# Altium PCB Tag201_GangProgrammerRev1.PcbDoc (part 3 of 7) (continued)
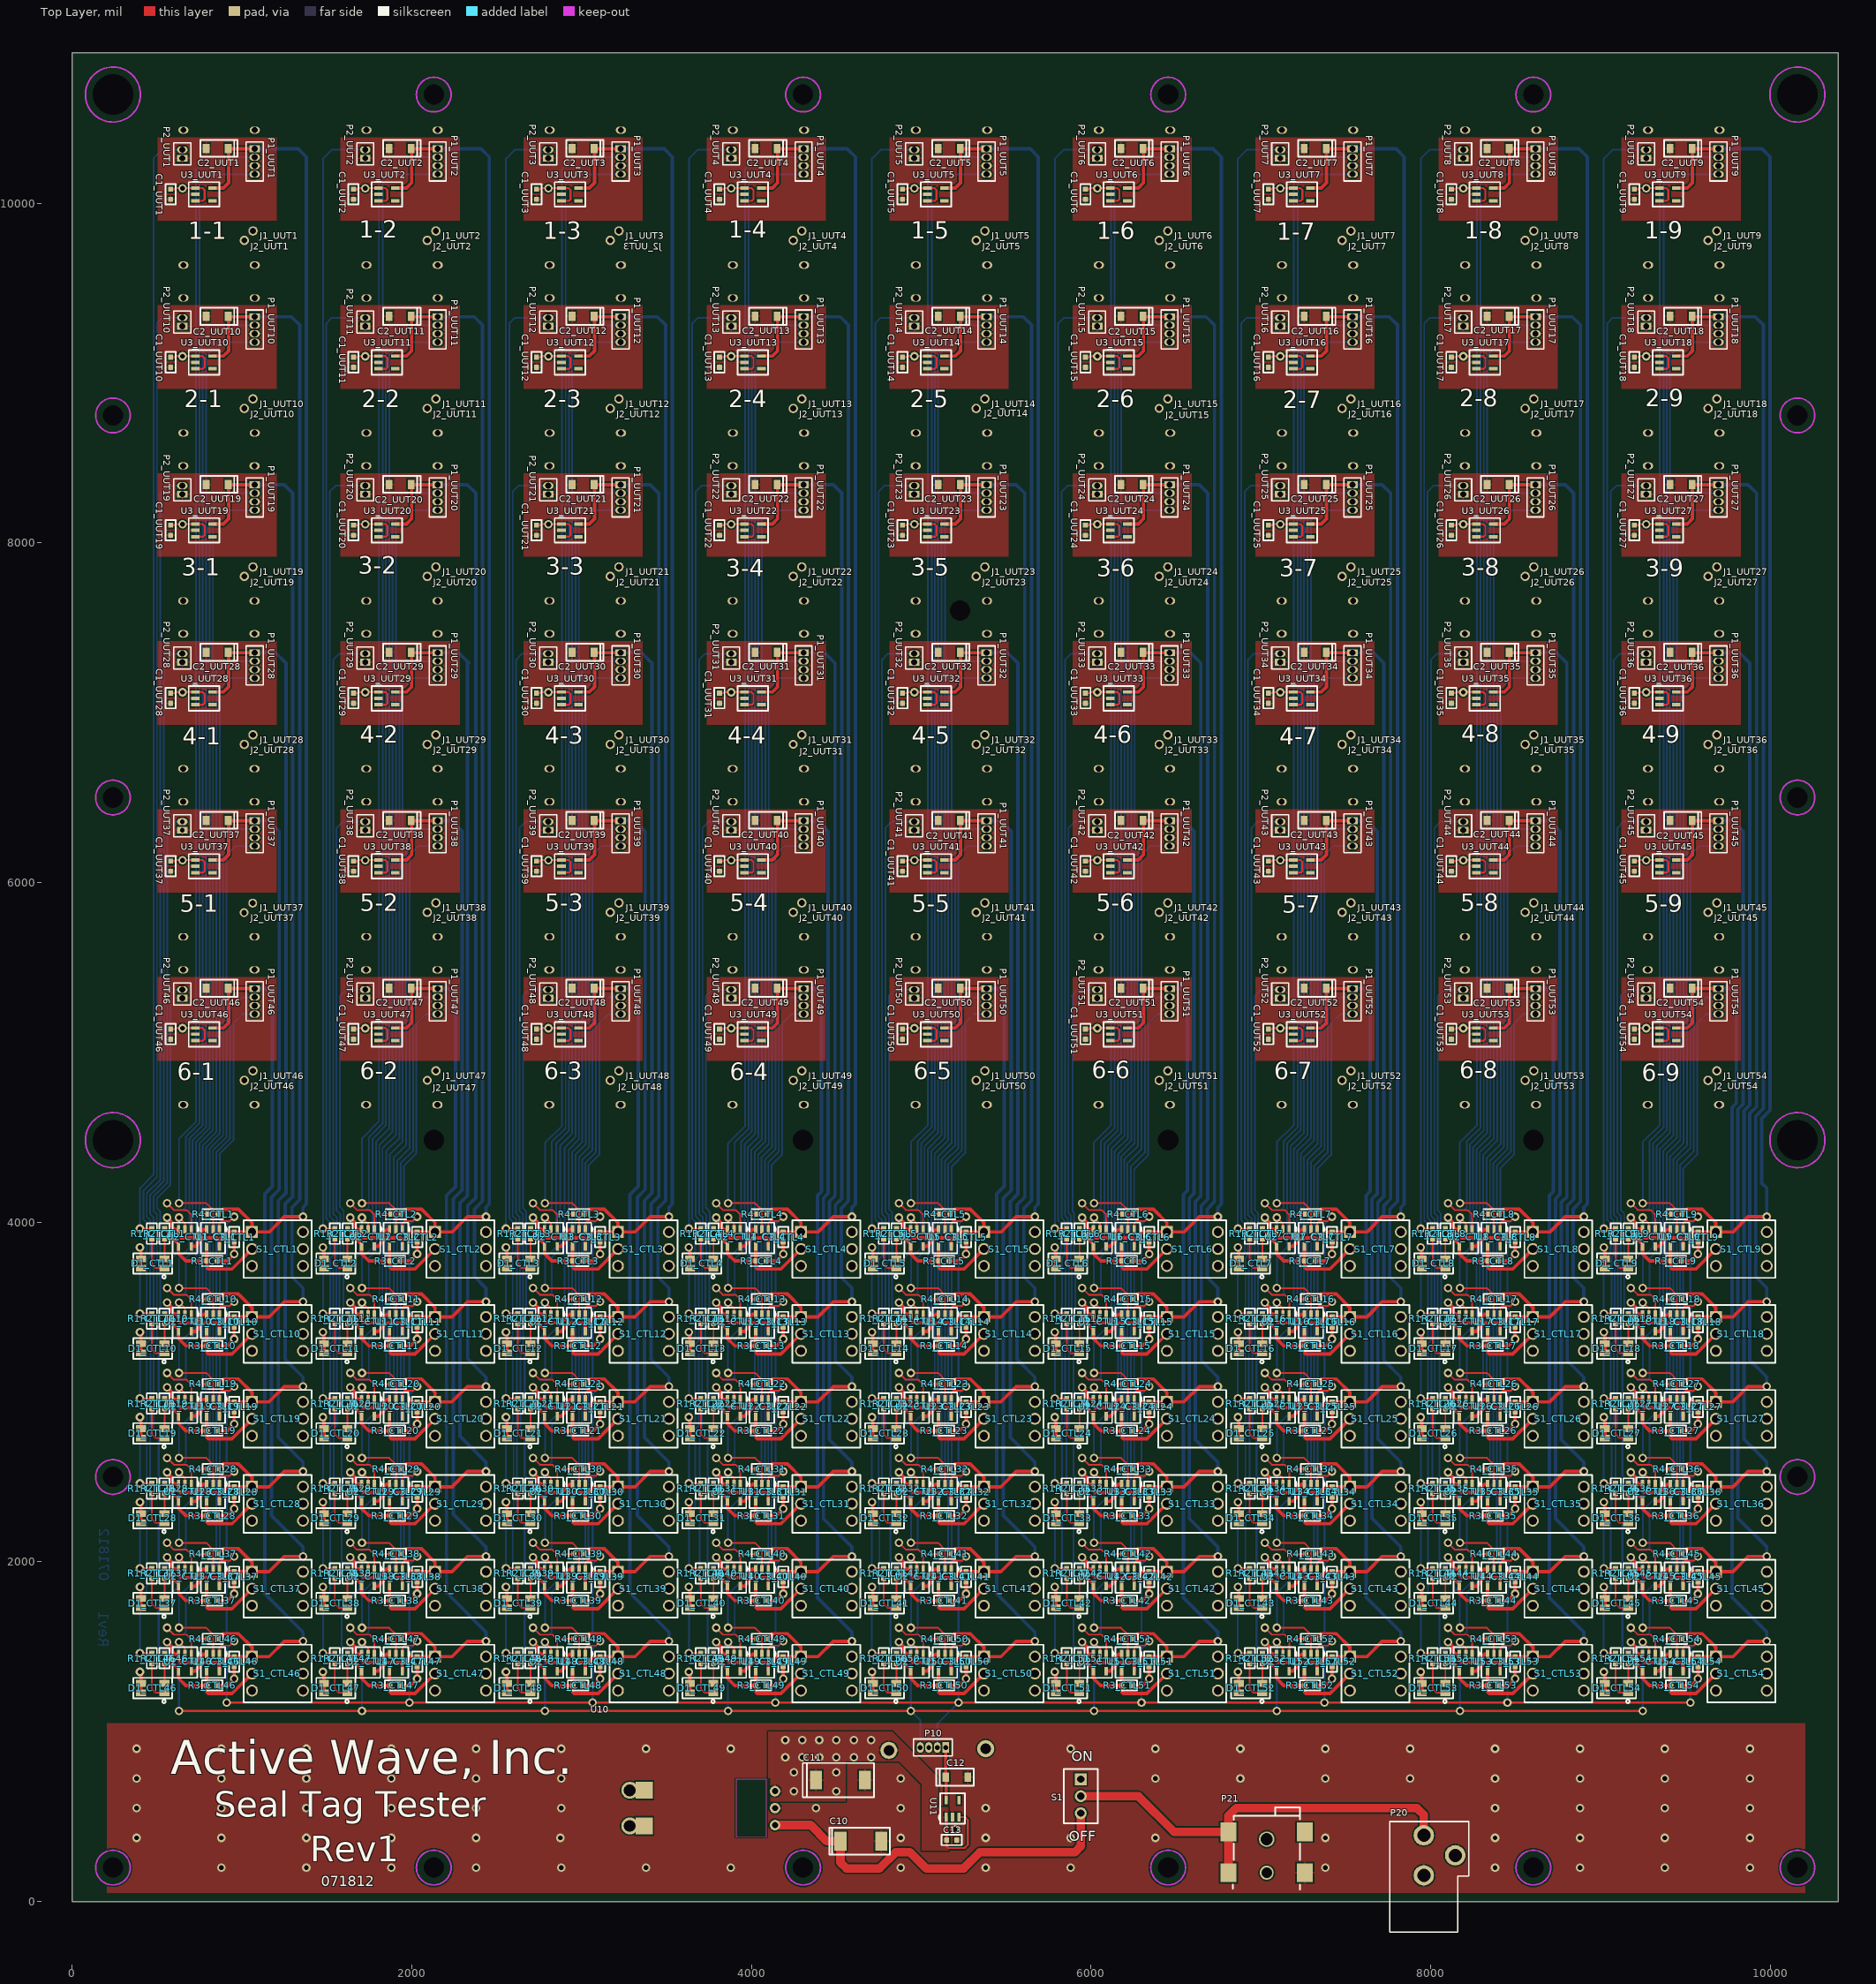
[diagram p0: Top Layer view]
## Free pads (board coordinates) (continued)
  round 100 hole 70: 0(3284,445) 0(3284,655)
  rect 100x100 smd: 0(3369,445) 0(3369,655)
  round 100 hole 62: 3(4809,890) 4(5379,900)

## Via types
v1: diameter 50, hole 28, Top Layer to Bottom Layer, tented both sides, 650 vias

## Nets (pads, with @x,y where several pads share a name; then routed paths per layer and width w, separated by ;. In a path a pad name is that pad's centre, name@x,y a point inside that pad or via, vN(x,y) a via of type N, cw(c..) or ccw(c..) an arc to the next point about the centre after c; other vN are vias at no path point)
+3V: C12.1 P10.1 U11.5 | length 311
  Top Layer w20: P10.1@5144,907 C12.1@5144,732 5146.5,729.5 U11.5@5146.5,597
+5V: C1_UUT1.1 C1_UUT2.1 C1_UUT3.1 C1_UUT4.1 C1_UUT5.1 C1_UUT6.1 C1_UUT7.1 C1_UUT8.1 C1_UUT9.1 C1_UUT10.1 C1_UUT11.1 C1_UUT12.1 C1_UUT13.1 C1_UUT14.1 C1_UUT15.1 C1_UUT16.1 C1_UUT17.1 C1_UUT18.1 C1_UUT19.1 C1_UUT20.1 C1_UUT21.1 C1_UUT22.1 C1_UUT23.1 C1_UUT24.1 C1_UUT25.1 C1_UUT26.1 C1_UUT27.1 C1_UUT28.1 C1_UUT29.1 C1_UUT30.1 C1_UUT31.1 C1_UUT32.1 C1_UUT33.1 C1_UUT34.1 C1_UUT35.1 C1_UUT36.1 C1_UUT37.1 C1_UUT38.1 C1_UUT39.1 C1_UUT40.1 C1_UUT41.1 C1_UUT42.1 C1_UUT43.1 C1_UUT44.1 C1_UUT45.1 C1_UUT46.1 C1_UUT47.1 C1_UUT48.1 C1_UUT49.1 C1_UUT50.1 C1_UUT51.1 C1_UUT52.1 C1_UUT53.1 C1_UUT54.1 C11.1 C13.1 pad.3 U3_UUT1.1@726,10088.5 U3_UUT1.3 U3_UUT2.1@1803.5,10088.5 U3_UUT2.3 U3_UUT3.1@2881,10088.5 U3_UUT3.3 U3_UUT4.1@3958.5,10088.5 U3_UUT4.3 U3_UUT5.1@5036,10088.5 U3_UUT5.3 U3_UUT6.1@6113.5,10088.5 U3_UUT6.3 U3_UUT7.1@7191,10088.5 U3_UUT7.3 U3_UUT8.1@8268.5,10088.5 U3_UUT8.3 U3_UUT9.1@9346,10088.5 U3_UUT9.3 U3_UUT10.1@726,9099.5 U3_UUT10.3 U3_UUT11.1@1803.5,9099.5 U3_UUT11.3 U3_UUT12.1@2881,9099.5 U3_UUT12.3 U3_UUT13.1@3958.5,9099.5 U3_UUT13.3 U3_UUT14.1@5036,9099.5 U3_UUT14.3 U3_UUT15.1@6113.5,9099.5 U3_UUT15.3 U3_UUT16.1@7191,9099.5 U3_UUT16.3 U3_UUT17.1@8268.5,9099.5 U3_UUT17.3 U3_UUT18.1@9346,9099.5 U3_UUT18.3 U3_UUT19.1@726,8110.5 U3_UUT19.3 U3_UUT20.1@1803.5,8110.5 U3_UUT20.3 U3_UUT21.1@2881,8110.5 U3_UUT21.3 U3_UUT22.1@3958.5,8110.5 U3_UUT22.3 U3_UUT23.1@5036,8110.5 U3_UUT23.3 U3_UUT24.1@6113.5,8110.5 U3_UUT24.3 U3_UUT25.1@7191,8110.5 U3_UUT25.3 U3_UUT26.1@8268.5,8110.5 U3_UUT26.3 U3_UUT27.1@9346,8110.5 U3_UUT27.3 U3_UUT28.1@726,7121.5 U3_UUT28.3 U3_UUT29.1@1803.5,7121.5 U3_UUT29.3 U3_UUT30.1@2881,7121.5 U3_UUT30.3 U3_UUT31.1@3958.5,7121.5 U3_UUT31.3 U3_UUT32.1@5036,7121.5 U3_UUT32.3 U3_UUT33.1@6113.5,7121.5 U3_UUT33.3 U3_UUT34.1@7191,7121.5 U3_UUT34.3 U3_UUT35.1@8268.5,7121.5 U3_UUT35.3 U3_UUT36.1@9346,7121.5 U3_UUT36.3 U3_UUT37.1@726,6132.5 U3_UUT37.3 U3_UUT38.1@1803.5,6132.5 U3_UUT38.3 U3_UUT39.1@2881,6132.5 U3_UUT39.3 U3_UUT40.1@3958.5,6132.5 U3_UUT40.3 U3_UUT41.1@5036,6132.5 U3_UUT41.3 U3_UUT42.1@6113.5,6132.5 U3_UUT42.3 U3_UUT43.1@7191,6132.5 U3_UUT43.3 U3_UUT44.1@8268.5,6132.5 U3_UUT44.3 U3_UUT45.1@9346,6132.5 U3_UUT45.3 U3_UUT46.1@726,5143.5 U3_UUT46.3 U3_UUT47.1@1803.5,5143.5 U3_UUT47.3 U3_UUT48.1@2881,5143.5 U3_UUT48.3 U3_UUT49.1@3958.5,5143.5 U3_UUT49.3 U3_UUT50.1@5036,5143.5 U3_UUT50.3 U3_UUT51.1@6113.5,5143.5 U3_UUT51.3 U3_UUT52.1@7191,5143.5 U3_UUT52.3 U3_UUT53.1@8268.5,5143.5 U3_UUT53.3 U3_UUT54.1@9346,5143.5 U3_UUT54.3 U10.3 U11.1@5146.5,497 U11.3 | length 17854.4
  Top Layer w12: C1_UUT46.1@579,5137 602.5,5137 609,5143.5 647.5,5143.5 v1(649,5142) ; C1_UUT37.1@579,6126 602.5,6126 609,6132.5 647.5,6132.5 v1(649,6131) ; C1_UUT28.1@579,7115 602.5,7115 609,7121.5 647.5,7121.5 v1(649,7120) ; C1_UUT19.1@579,8104 602.5,8104 609,8110.5 647.5,8110.5 v1(649,8109) ; C1_UUT10.1@579,9093 602.5,9093 609,9099.5 647.5,9099.5 v1(649,9098) ; C1_UUT1.1@579,10082 602.5,10082 609,10088.5 647.5,10088.5 v1(649,10087) ; v1@649,5143.5 U3_UUT46.1@726,5143.5 767.5,5143.5 779,5132 779,5077 770.5,5068.5 U3_UUT46.3@726,5068.5 ; v1@649,6132.5 U3_UUT37.1@726,6132.5 767.5,6132.5 779,6121 779,6066 770.5,6057.5 U3_UUT37.3@726,6057.5 ; v1@649,7121.5 U3_UUT28.1@726,7121.5 767.5,7121.5 779,7110 779,7055 770.5,7046.5 U3_UUT28.3@726,7046.5 ; v1@649,8110.5 U3_UUT19.1@726,8110.5 767.5,8110.5 779,8099 779,8044 770.5,8035.5 U3_UUT19.3@726,8035.5 ; v1@649,9099.5 U3_UUT10.1@726,9099.5 767.5,9099.5 779,9088 779,9033 770.5,9024.5 U3_UUT10.3@726,9024.5 ; v1@649,10088.5 U3_UUT1.1@726,10088.5 767.5,10088.5 779,10077 779,10022 770.5,10013.5 U3_UUT1.3@726,10013.5 ; C1_UUT47.1@1656.5,5137 1680,5137 1686.5,5143.5 1725,5143.5 v1(1726.5,5142) ; C1_UUT38.1@1656.5,6126 1680,6126 1686.5,6132.5 1725,6132.5 v1(1726.5,6131) ; C1_UUT29.1@1656.5,7115 1680,7115 1686.5,7121.5 1725,7121.5 v1(1726.5,7120) ; C1_UUT20.1@1656.5,8104 1680,8104 1686.5,8110.5 1725,8110.5 v1(1726.5,8109) ; C1_UUT11.1@1656.5,9093 1680,9093 1686.5,9099.5 1725,9099.5 v1(1726.5,9098) ; C1_UUT2.1@1656.5,10082 1680,10082 1686.5,10088.5 1725,10088.5 v1(1726.5,10087) ; v1@1726.5,5143.5 U3_UUT47.1@1803.5,5143.5 1845,5143.5 1856.5,5132 1856.5,5077 1848,5068.5 U3_UUT47.3@1803.5,5068.5 ; v1@1726.5,6132.5 U3_UUT38.1@1803.5,6132.5 1845,6132.5 1856.5,6121 1856.5,6066 1848,6057.5 U3_UUT38.3@1803.5,6057.5 ; v1@1726.5,7121.5 U3_UUT29.1@1803.5,7121.5 1845,7121.5 1856.5,7110 1856.5,7055 1848,7046.5 U3_UUT29.3@1803.5,7046.5 ; v1@1726.5,8110.5 U3_UUT20.1@1803.5,8110.5 1845,8110.5 1856.5,8099 1856.5,8044 1848,8035.5 U3_UUT20.3@1803.5,8035.5 ; v1@1726.5,9099.5 U3_UUT11.1@1803.5,9099.5 1845,9099.5 1856.5,9088 1856.5,9033 1848,9024.5 U3_UUT11.3@1803.5,9024.5 ; v1@1726.5,10088.5 U3_UUT2.1@1803.5,10088.5 1845,10088.5 1856.5,10077 1856.5,10022 1848,10013.5 U3_UUT2.3@1803.5,10013.5 ; C1_UUT48.1@2734,5137 2757.5,5137 2764,5143.5 2802.5,5143.5 v1(2804,5142) ; C1_UUT39.1@2734,6126 2757.5,6126 2764,6132.5 2802.5,6132.5 v1(2804,6131) ; C1_UUT30.1@2734,7115 2757.5,7115 2764,7121.5 2802.5,7121.5 v1(2804,7120) ; C1_UUT21.1@2734,8104 2757.5,8104 2764,8110.5 2802.5,8110.5 v1(2804,8109) ; C1_UUT12.1@2734,9093 2757.5,9093 2764,9099.5 2802.5,9099.5 v1(2804,9098) ; C1_UUT3.1@2734,10082 2757.5,10082 2764,10088.5 2802.5,10088.5 v1(2804,10087) ; v1@2804,5143.5 U3_UUT48.1@2881,5143.5 2922.5,5143.5 2934,5132 2934,5077 2925.5,5068.5 U3_UUT48.3@2881,5068.5 ; v1@2804,6132.5 U3_UUT39.1@2881,6132.5 2922.5,6132.5 2934,6121 2934,6066 2925.5,6057.5 U3_UUT39.3@2881,6057.5 ; v1@2804,7121.5 U3_UUT30.1@2881,7121.5 2922.5,7121.5 2934,7110 2934,7055 2925.5,7046.5 U3_UUT30.3@2881,7046.5 ; v1@2804,8110.5 U3_UUT21.1@2881,8110.5 2922.5,8110.5 2934,8099 2934,8044 2925.5,8035.5 U3_UUT21.3@2881,8035.5 ; v1@2804,9099.5 U3_UUT12.1@2881,9099.5 2922.5,9099.5 2934,9088 2934,9033 2925.5,9024.5 U3_UUT12.3@2881,9024.5 ; v1@2804,10088.5 U3_UUT3.1@2881,10088.5 2922.5,10088.5 2934,10077 2934,10022 2925.5,10013.5 U3_UUT3.3@2881,10013.5 ; C1_UUT49.1@3811.5,5137 3835,5137 3841.5,5143.5 3880,5143.5 v1(3881.5,5142) ; C1_UUT40.1@3811.5,6126 3835,6126 3841.5,6132.5 3880,6132.5 v1(3881.5,6131) ; C1_UUT31.1@3811.5,7115 3835,7115 3841.5,7121.5 3880,7121.5 v1(3881.5,7120) ; C1_UUT22.1@3811.5,8104 3835,8104 3841.5,8110.5 3880,8110.5 v1(3881.5,8109) ; C1_UUT13.1@3811.5,9093 3835,9093 3841.5,9099.5 3880,9099.5 v1(3881.5,9098) ; C1_UUT4.1@3811.5,10082 3835,10082 3841.5,10088.5 3880,10088.5 v1(3881.5,10087) ; v1@3881.5,5143.5 U3_UUT49.1@3958.5,5143.5 4000,5143.5 4011.5,5132 4011.5,5077 4003,5068.5 U3_UUT49.3@3958.5,5068.5 ; v1@3881.5,6132.5 U3_UUT40.1@3958.5,6132.5 4000,6132.5 4011.5,6121 4011.5,6066 4003,6057.5 U3_UUT40.3@3958.5,6057.5 ; v1@3881.5,7121.5 U3_UUT31.1@3958.5,7121.5 4000,7121.5 4011.5,7110 4011.5,7055 4003,7046.5 U3_UUT31.3@3958.5,7046.5 ; v1@3881.5,8110.5 U3_UUT22.1@3958.5,8110.5 4000,8110.5 4011.5,8099 4011.5,8044 4003,8035.5 U3_UUT22.3@3958.5,8035.5 ; v1@3881.5,9099.5 U3_UUT13.1@3958.5,9099.5 4000,9099.5 4011.5,9088 4011.5,9033 4003,9024.5 U3_UUT13.3@3958.5,9024.5 ; v1@3881.5,10088.5 U3_UUT4.1@3958.5,10088.5 4000,10088.5 4011.5,10077 4011.5,10022 4003,10013.5 U3_UUT4.3@3958.5,10013.5 ; C1_UUT50.1@4889,5137 4912.5,5137 4919,5143.5 4957.5,5143.5 v1(4959,5142) ; C1_UUT41.1@4889,6126 4912.5,6126 4919,6132.5 4957.5,6132.5 v1(4959,6131) ; C1_UUT32.1@4889,7115 4912.5,7115 4919,7121.5 4957.5,7121.5 v1(4959,7120) ; C1_UUT23.1@4889,8104 4912.5,8104 4919,8110.5 4957.5,8110.5 v1(4959,8109) ; C1_UUT14.1@4889,9093 4912.5,9093 4919,9099.5 4957.5,9099.5 v1(4959,9098) ; C1_UUT5.1@4889,10082 4912.5,10082 4919,10088.5 4957.5,10088.5 v1(4959,10087) ; v1@4959,5143.5 U3_UUT50.1@5036,5143.5 5077.5,5143.5 5089,5132 5089,5077 5080.5,5068.5 U3_UUT50.3@5036,5068.5 ; v1@4959,6132.5 U3_UUT41.1@5036,6132.5 5077.5,6132.5 5089,6121 5089,6066 5080.5,6057.5 U3_UUT41.3@5036,6057.5 ; v1@4959,7121.5 U3_UUT32.1@5036,7121.5 5077.5,7121.5 5089,7110 5089,7055 5080.5,7046.5 U3_UUT32.3@5036,7046.5 ; v1@4959,8110.5 U3_UUT23.1@5036,8110.5 5077.5,8110.5 5089,8099 5089,8044 5080.5,8035.5 U3_UUT23.3@5036,8035.5 ; v1@4959,9099.5 U3_UUT14.1@5036,9099.5 5077.5,9099.5 5089,9088 5089,9033 5080.5,9024.5 U3_UUT14.3@5036,9024.5 ; v1@4959,10088.5 U3_UUT5.1@5036,10088.5 5077.5,10088.5 5089,10077 5089,10022 5080.5,10013.5 U3_UUT5.3@5036,10013.5 ; C13.1@5149,362 5149,325 5159,315 5254,315 5274,335 5274,480 5257,497 U11.3@5221.5,497 ; C1_UUT51.1@5966.5,5137 5990,5137 5996.5,5143.5 6035,5143.5 v1(6036.5,5142) ; C1_UUT42.1@5966.5,6126 5990,6126 5996.5,6132.5 6035,6132.5 v1(6036.5,6131) ; C1_UUT33.1@5966.5,7115 5990,7115 5996.5,7121.5 6035,7121.5 v1(6036.5,7120) ; C1_UUT24.1@5966.5,8104 5990,8104 5996.5,8110.5 6035,8110.5 v1(6036.5,8109) ; C1_UUT15.1@5966.5,9093 5990,9093 5996.5,9099.5 6035,9099.5 v1(6036.5,9098) ; C1_UUT6.1@5966.5,10082 5990,10082 5996.5,10088.5 6035,10088.5 v1(6036.5,10087) ; v1@6036.5,5143.5 U3_UUT51.1@6113.5,5143.5 6155,5143.5 6166.5,5132 6166.5,5077 6158,5068.5 U3_UUT51.3@6113.5,5068.5 ; v1@6036.5,6132.5 U3_UUT42.1@6113.5,6132.5 6155,6132.5 6166.5,6121 6166.5,6066 6158,6057.5 U3_UUT42.3@6113.5,6057.5 ; v1@6036.5,7121.5 U3_UUT33.1@6113.5,7121.5 6155,7121.5 6166.5,7110 6166.5,7055 6158,7046.5 U3_UUT33.3@6113.5,7046.5 ; v1@6036.5,8110.5 U3_UUT24.1@6113.5,8110.5 6155,8110.5 6166.5,8099 6166.5,8044 6158,8035.5 U3_UUT24.3@6113.5,8035.5 ; v1@6036.5,9099.5 U3_UUT15.1@6113.5,9099.5 6155,9099.5 6166.5,9088 6166.5,9033 6158,9024.5 U3_UUT15.3@6113.5,9024.5 ; v1@6036.5,10088.5 U3_UUT6.1@6113.5,10088.5 6155,10088.5 6166.5,10077 6166.5,10022 6158,10013.5 U3_UUT6.3@6113.5,10013.5 ; C1_UUT52.1@7044,5137 7067.5,5137 7074,5143.5 7112.5,5143.5 v1(7114,5142) ; C1_UUT43.1@7044,6126 7067.5,6126 7074,6132.5 7112.5,6132.5 v1(7114,6131) ; C1_UUT34.1@7044,7115 7067.5,7115 7074,7121.5 7112.5,7121.5 v1(7114,7120) ; C1_UUT25.1@7044,8104 7067.5,8104 7074,8110.5 7112.5,8110.5 v1(7114,8109) ; C1_UUT16.1@7044,9093 7067.5,9093 7074,9099.5 7112.5,9099.5 v1(7114,9098) ; C1_UUT7.1@7044,10082 7067.5,10082 7074,10088.5 7112.5,10088.5 v1(7114,10087) ; v1@7114,5143.5 U3_UUT52.1@7191,5143.5 7232.5,5143.5 7244,5132 7244,5077 7235.5,5068.5 U3_UUT52.3@7191,5068.5 ; v1@7114,6132.5 U3_UUT43.1@7191,6132.5 7232.5,6132.5 7244,6121 7244,6066 7235.5,6057.5 U3_UUT43.3@7191,6057.5 ; v1@7114,7121.5 U3_UUT34.1@7191,7121.5 7232.5,7121.5 7244,7110 7244,7055 7235.5,7046.5 U3_UUT34.3@7191,7046.5 ; v1@7114,8110.5 U3_UUT25.1@7191,8110.5 7232.5,8110.5 7244,8099 7244,8044 7235.5,8035.5 U3_UUT25.3@7191,8035.5 ; v1@7114,9099.5 U3_UUT16.1@7191,9099.5 7232.5,9099.5 7244,9088 7244,9033 7235.5,9024.5 U3_UUT16.3@7191,9024.5 ; v1@7114,10088.5 U3_UUT7.1@7191,10088.5 7232.5,10088.5 7244,10077 7244,10022 7235.5,10013.5 U3_UUT7.3@7191,10013.5 ; C1_UUT53.1@8121.5,5137 8145,5137 8151.5,5143.5 8190,5143.5 v1(8191.5,5142) ; C1_UUT44.1@8121.5,6126 8145,6126 8151.5,6132.5 8190,6132.5 v1(8191.5,6131) ; C1_UUT35.1@8121.5,7115 8145,7115 8151.5,7121.5 8190,7121.5 v1(8191.5,7120) ; C1_UUT26.1@8121.5,8104 8145,8104 8151.5,8110.5 8190,8110.5 v1(8191.5,8109) ; C1_UUT17.1@8121.5,9093 8145,9093 8151.5,9099.5 8190,9099.5 v1(8191.5,9098) ; C1_UUT8.1@8121.5,10082 8145,10082 8151.5,10088.5 8190,10088.5 v1(8191.5,10087) ; v1@8191.5,5143.5 U3_UUT53.1@8268.5,5143.5 8310,5143.5 8321.5,5132 8321.5,5077 8313,5068.5 U3_UUT53.3@8268.5,5068.5 ; v1@8191.5,6132.5 U3_UUT44.1@8268.5,6132.5 8310,6132.5 8321.5,6121 8321.5,6066 8313,6057.5 U3_UUT44.3@8268.5,6057.5 ; v1@8191.5,7121.5 U3_UUT35.1@8268.5,7121.5 8310,7121.5 8321.5,7110 8321.5,7055 8313,7046.5 U3_UUT35.3@8268.5,7046.5 ; v1@8191.5,8110.5 U3_UUT26.1@8268.5,8110.5 8310,8110.5 8321.5,8099 8321.5,8044 8313,8035.5 U3_UUT26.3@8268.5,8035.5 ; v1@8191.5,9099.5 U3_UUT17.1@8268.5,9099.5 8310,9099.5 8321.5,9088 8321.5,9033 8313,9024.5 U3_UUT17.3@8268.5,9024.5 ; v1@8191.5,10088.5 U3_UUT8.1@8268.5,10088.5 8310,10088.5 8321.5,10077 8321.5,10022 8313,10013.5 U3_UUT8.3@8268.5,10013.5 ; C1_UUT54.1@9199,5137 9222.5,5137 9229,5143.5 9267.5,5143.5 v1(9269,5142) ; C1_UUT45.1@9199,6126 9222.5,6126 9229,6132.5 9267.5,6132.5 v1(9269,6131) ; C1_UUT36.1@9199,7115 9222.5,7115 9229,7121.5 9267.5,7121.5 v1(9269,7120) ; C1_UUT27.1@9199,8104 9222.5,8104 9229,8110.5 9267.5,8110.5 v1(9269,8109) ; C1_UUT18.1@9199,9093 9222.5,9093 9229,9099.5 9267.5,9099.5 v1(9269,9098) ; C1_UUT9.1@9199,10082 9222.5,10082 9229,10088.5 9267.5,10088.5 v1(9269,10087) ; v1@9269,5143.5 U3_UUT54.1@9346,5143.5 9387.5,5143.5 9399,5132 9399,5077 9390.5,5068.5 U3_UUT54.3@9346,5068.5 ; v1@9269,6132.5 U3_UUT45.1@9346,6132.5 9387.5,6132.5 9399,6121 9399,6066 9390.5,6057.5 U3_UUT45.3@9346,6057.5 ; v1@9269,7121.5 U3_UUT36.1@9346,7121.5 9387.5,7121.5 9399,7110 9399,7055 9390.5,7046.5 U3_UUT36.3@9346,7046.5 ; v1@9269,8110.5 U3_UUT27.1@9346,8110.5 9387.5,8110.5 9399,8099 9399,8044 9390.5,8035.5 U3_UUT27.3@9346,8035.5 ; v1@9269,9099.5 U3_UUT18.1@9346,9099.5 9387.5,9099.5 9399,9088 9399,9033 9390.5,9024.5 U3_UUT18.3@9346,9024.5 ; v1@9269,10088.5 U3_UUT9.1@9346,10088.5 9387.5,10088.5 9399,10077 9399,10022 9390.5,10013.5 U3_UUT9.3@9346,10013.5
  Top Layer w20: v1@647.5,5143.5 v1@649,5143.5 ; v1@647.5,6132.5 v1@649,6132.5 ; v1@647.5,7121.5 v1@649,7121.5 ; v1@647.5,8110.5 v1@649,8110.5 ; v1@647.5,9099.5 v1@649,9099.5 ; v1@647.5,10088.5 v1@649,10088.5 ; v1@1725,5143.5 v1@1726.5,5143.5 ; v1@1725,6132.5 v1@1726.5,6132.5 ; v1@1725,7121.5 v1@1726.5,7121.5 ; v1@1725,8110.5 v1@1726.5,8110.5 ; v1@1725,9099.5 v1@1726.5,9099.5 ; v1@1725,10088.5 v1@1726.5,10088.5 ; v1@2802.5,5143.5 v1@2804,5143.5 ; v1@2802.5,6132.5 v1@2804,6132.5 ; v1@2802.5,7121.5 v1@2804,7121.5 ; v1@2802.5,8110.5 v1@2804,8110.5 ; v1@2802.5,9099.5 v1@2804,9099.5 ; v1@2802.5,10088.5 v1@2804,10088.5 ; v1@3880,5143.5 v1@3881.5,5143.5 ; v1@3880,6132.5 v1@3881.5,6132.5 ; v1@3880,7121.5 v1@3881.5,7121.5 ; v1@3880,8110.5 v1@3881.5,8110.5 ; v1@3880,9099.5 v1@3881.5,9099.5 ; v1@3880,10088.5 v1@3881.5,10088.5 ; v1@4957.5,5143.5 v1@4959,5143.5 ; v1@4957.5,6132.5 v1@4959,6132.5 ; v1@4957.5,7121.5 v1@4959,7121.5 ; v1@4957.5,8110.5 v1@4959,8110.5 ; v1@4957.5,9099.5 v1@4959,9099.5 ; v1@4957.5,10088.5 v1@4959,10088.5 ; U11.1@5146.5,497 5146.5,417.5 5149,415 C13.1@5149,362 ; v1@6035,5143.5 v1@6036.5,5143.5 ; v1@6035,6132.5 v1@6036.5,6132.5 ; v1@6035,7121.5 v1@6036.5,7121.5 ; v1@6035,8110.5 v1@6036.5,8110.5 ; v1@6035,9099.5 v1@6036.5,9099.5 ; v1@6035,10088.5 v1@6036.5,10088.5 ; v1@7112.5,5143.5 v1@7114,5143.5 ; v1@7112.5,6132.5 v1@7114,6132.5 ; v1@7112.5,7121.5 v1@7114,7121.5 ; v1@7112.5,8110.5 v1@7114,8110.5 ; v1@7112.5,9099.5 v1@7114,9099.5 ; v1@7112.5,10088.5 v1@7114,10088.5 ; v1@8190,5143.5 v1@8191.5,5143.5 ; v1@8190,6132.5 v1@8191.5,6132.5 ; v1@8190,7121.5 v1@8191.5,7121.5 ; v1@8190,8110.5 v1@8191.5,8110.5 ; v1@8190,9099.5 v1@8191.5,9099.5 ; v1@8190,10088.5 v1@8191.5,10088.5 ; v1@9267.5,5143.5 v1@9269,5143.5 ; v1@9267.5,6132.5 v1@9269,6132.5 ; v1@9267.5,7121.5 v1@9269,7121.5 ; v1@9267.5,8110.5 v1@9269,8110.5 ; v1@9267.5,9099.5 v1@9269,9099.5 ; v1@9267.5,10088.5 v1@9269,10088.5
  other v1: 4249,650 4499,650 4249,760 4499,760 4199,850 4299,850 4399,850 4499,850 4604,850 4704,850 4199,950 4299,950 4399,950 4499,950 4604,950 4704,950
DEBUG1: P1_UUT1.2 U1_CTL1.2 | length 6836.9
  Top Layer w10: v1(629,4112) 789,4112 829.5,4071.5 U1_CTL1.2@829.5,3957
  Bottom Layer w10: v1(629,4112) 629,4492 729,4592 729,10202 797,10270 P1_UUT1.2@1074.5,10270
DEBUG2: P1_UUT2.2 U1_CTL2.2 | length 6836.9
  Top Layer w10: v1(1706.5,4112) 1866.5,4112 1907,4071.5 U1_CTL2.2@1907,3957
  Bottom Layer w10: v1(1706.5,4112) 1706.5,4494.5 1806.5,4594.5 1806.5,10202 1874.5,10270 P1_UUT2.2@2152,10270
DEBUG3: P1_UUT3.2 U1_CTL3.2 | length 6836.9
  Top Layer w10: v1(2784,4112) 2944,4112 2984.5,4071.5 U1_CTL3.2@2984.5,3957
  Bottom Layer w10: v1(2784,4112) 2784,4467 2884,4567 2884,10202 2952,10270 P1_UUT3.2@3229.5,10270
DEBUG4: P1_UUT4.2 U1_CTL4.2 | length 6836.9
  Top Layer w10: v1(3861.5,4112) 4021.5,4112 4062,4071.5 U1_CTL4.2@4062,3957
  Bottom Layer w10: v1(3861.5,4112) 3861.5,4464.5 3961.5,4564.5 3961.5,10202 4029.5,10270 P1_UUT4.2@4307,10270
DEBUG5: P1_UUT5.2 U1_CTL5.2 | length 6836.9
  Top Layer w10: v1(4939,4112) 5099,4112 5139.5,4071.5 U1_CTL5.2@5139.5,3957
  Bottom Layer w10: v1(4939,4112) 4939,4472 5039,4572 5039,10202 5107,10270 P1_UUT5.2@5384.5,10270
DEBUG6: P1_UUT6.2 U1_CTL6.2 | length 6836.9
  Top Layer w10: v1(6016.5,4112) 6176.5,4112 6217,4071.5 U1_CTL6.2@6217,3957
  Bottom Layer w10: v1(6016.5,4112) 6016.5,4469.5 6116.5,4569.5 6116.5,10202 6184.5,10270 P1_UUT6.2@6462,10270
DEBUG7: P1_UUT7.2 U1_CTL7.2 | length 6836.9
  Top Layer w10: v1(7094,4112) 7254,4112 7294.5,4071.5 U1_CTL7.2@7294.5,3957
  Bottom Layer w10: v1(7094,4112) 7094,4472 7194,4572 7194,10202 7262,10270 P1_UUT7.2@7539.5,10270
DEBUG8: P1_UUT8.2 U1_CTL8.2 | length 6836.9
  Top Layer w10: v1(8171.5,4112) 8331.5,4112 8372,4071.5 U1_CTL8.2@8372,3957
  Bottom Layer w10: v1(8171.5,4112) 8171.5,4469.5 8271.5,4569.5 8271.5,10202 8339.5,10270 P1_UUT8.2@8617,10270
DEBUG9: P1_UUT9.2 U1_CTL9.2 | length 6836.9
  Top Layer w10: v1(9249,4112) 9409,4112 9449.5,4071.5 U1_CTL9.2@9449.5,3957
  Bottom Layer w10: v1(9249,4112) 9249,4472 9349,4572 9349,10202 9417,10270 P1_UUT9.2@9694.5,10270
DEBUG10: P1_UUT10.2 U1_CTL10.2 | length 6340.4
  Top Layer w10: v1(629,3612) 789,3612 829.5,3571.5 U1_CTL10.2@829.5,3457
  Bottom Layer w10: v1(629,3612) 629,3787 689,3847 689,4492 769,4572 769,9242 ; 770,9242 809,9281 P1_UUT10.2@1074.5,9281
DEBUG11: P1_UUT11.2 U1_CTL11.2 | length 6340.8
  Top Layer w10: v1(1706.5,3612) 1866.5,3612 1907,3571.5 U1_CTL11.2@1907,3457
  Bottom Layer w10: v1(1706.5,3612) 1706.5,3789.5 1769,3852 1769,4492 1847.5,4570.5 1847.5,9242 1886.5,9281 P1_UUT11.2@2152,9281
DEBUG12: P1_UUT12.2 U1_CTL12.2 | length 6340.8
  Top Layer w10: v1(2784,3612) 2944,3612 2984.5,3571.5 U1_CTL12.2@2984.5,3457
  Bottom Layer w10: v1(2784,3612) 2784,3787 2849,3852 2849,4462 2864,4477 2925,4538 2925,9242 2964,9281 P1_UUT12.2@3229.5,9281
DEBUG13: P1_UUT13.2 U1_CTL13.2 | length 6340.8
  Top Layer w10: v1(3861.5,3612) 4021.5,3612 4062,3571.5 U1_CTL13.2@4062,3457
  Bottom Layer w10: v1(3861.5,3612) 3861.5,3784.5 3939,3862 3939,4472 4002.5,4535.5 4002.5,9242 4041.5,9281 P1_UUT13.2@4307,9281
DEBUG14: P1_UUT14.2 U1_CTL14.2 | length 6340.8
  Top Layer w10: v1(4939,3612) 5099,3612 5139.5,3571.5 U1_CTL14.2@5139.5,3457
  Bottom Layer w10: v1(4939,3612) 4939,3787 4999,3847 4999,4462 5080,4543 5080,9242 5119,9281 P1_UUT14.2@5384.5,9281
DEBUG15: P1_UUT15.2 U1_CTL15.2 | length 6340.8
  Top Layer w10: v1(6016.5,3612) 6176.5,3612 6217,3571.5 U1_CTL15.2@6217,3457
  Bottom Layer w10: v1(6016.5,3612) 6016.5,3789.5 6079,3852 6079,4462 6157.5,4540.5 6157.5,9242 6196.5,9281 P1_UUT15.2@6462,9281
DEBUG16: P1_UUT16.2 U1_CTL16.2 | length 6340.8
  Top Layer w10: v1(7094,3612) 7254,3612 7294.5,3571.5 U1_CTL16.2@7294.5,3457
  Bottom Layer w10: v1(7094,3612) 7094,3792 7154,3852 7154,4462 7235,4543 7235,9242 7274,9281 P1_UUT16.2@7539.5,9281
DEBUG17: P1_UUT17.2 U1_CTL17.2 | length 6340.8
  Top Layer w10: v1(8171.5,3612) 8331.5,3612 8372,3571.5 U1_CTL17.2@8372,3457
  Bottom Layer w10: v1(8171.5,3612) 8171.5,3789.5 8229.5,3847.5 8229.5,4457.5 8312.5,4540.5 8312.5,9242 8351.5,9281 P1_UUT17.2@8617,9281
DEBUG18: P1_UUT18.2 U1_CTL18.2 | length 6340.8
  Top Layer w10: v1(9249,3612) 9409,3612 9449.5,3571.5 U1_CTL18.2@9449.5,3457
  Bottom Layer w10: v1(9249,3612) 9249,3792 9309,3852 9309,4462 9390,4543 9390,9242 9429,9281 P1_UUT18.2@9694.5,9281
DEBUG19: P1_UUT19.2 U1_CTL19.2 | length 5822.5
  Top Layer w10: v1(629,3112) 789,3112 829.5,3071.5 U1_CTL19.2@829.5,2957
  Bottom Layer w10: v1(629,3112) 629,3287 729,3387 729,4472 809,4552 809,8242 859,8292 P1_UUT19.2@1074.5,8292
DEBUG20: P1_UUT20.2 U1_CTL20.2 | length 5822.5
  Top Layer w10: v1(1706.5,3112) 1866.5,3112 1907,3071.5 U1_CTL20.2@1907,2957
  Bottom Layer w10: v1(1706.5,3112) 1706.5,3309.5 1809,3412 1809,4454.5 1886.5,4532 1886.5,8242 1936.5,8292 P1_UUT20.2@2152,8292
DEBUG21: P1_UUT21.2 U1_CTL21.2 | length 5822.5
  Top Layer w10: v1(2784,3112) 2944,3112 2984.5,3071.5 U1_CTL21.2@2984.5,2957
  Bottom Layer w10: v1(2784,3112) 2784,3307 2899,3422 2899,4437 2964,4502 2964,8242 3014,8292 P1_UUT21.2@3229.5,8292
DEBUG22: P1_UUT22.2 U1_CTL22.2 | length 5822.5
  Top Layer w10: v1(3861.5,3112) 4021.5,3112 4062,3071.5 U1_CTL22.2@4062,2957
  Bottom Layer w10: v1(3861.5,3112) 3861.5,3304.5 3979,3422 3979,4442 4041.5,4504.5 4041.5,8242 4091.5,8292 P1_UUT22.2@4307,8292
DEBUG23: P1_UUT23.2 U1_CTL23.2 | length 5822.5
  Top Layer w10: v1(4939,3112) 5099,3112 5139.5,3071.5 U1_CTL23.2@5139.5,2957
  Bottom Layer w10: v1(4939,3112) 4939,3302 5039,3402 5039,4432 5119,4512 5119,8242 5169,8292 P1_UUT23.2@5384.5,8292
DEBUG24: P1_UUT24.2 U1_CTL24.2 | length 5822.5
  Top Layer w10: v1(6016.5,3112) 6176.5,3112 6217,3071.5 U1_CTL24.2@6217,2957
  Bottom Layer w10: v1(6016.5,3112) 6016.5,3304.5 6119,3407 6119,4432 6196.5,4509.5 6196.5,8242 6246.5,8292 P1_UUT24.2@6462,8292
DEBUG25: P1_UUT25.2 U1_CTL25.2 | length 5822.5
  Top Layer w10: v1(7094,3112) 7254,3112 7294.5,3071.5 U1_CTL25.2@7294.5,2957
  Bottom Layer w10: v1(7094,3112) 7094,3307 7194,3407 7194,4432 7274,4512 7274,8242 7324,8292 P1_UUT25.2@7539.5,8292
DEBUG26: P1_UUT26.2 U1_CTL26.2 | length 5822.5
  Top Layer w10: v1(8171.5,3112) 8331.5,3112 8372,3071.5 U1_CTL26.2@8372,2957
  Bottom Layer w10: v1(8171.5,3112) 8171.5,3309.5 8269,3407 8269,4427 8351.5,4509.5 8351.5,8242 8401.5,8292 P1_UUT26.2@8617,8292
DEBUG27: P1_UUT27.2 U1_CTL27.2 | length 5822.5
  Top Layer w10: v1(9249,3112) 9409,3112 9449.5,3071.5 U1_CTL27.2@9449.5,2957
  Bottom Layer w10: v1(9249,3112) 9249,3307 9349,3407 9349,4432 9429,4512 9429,8242 9479,8292 P1_UUT27.2@9694.5,8292
DEBUG28: P1_UUT28.2 U1_CTL28.2 | length 5309.5
  Top Layer w10: v1(629,2612) 789,2612 829.5,2571.5 U1_CTL28.2@829.5,2457
  Bottom Layer w10: v1(629,2612) 629,2787 769,2927 769,4452 849,4532 849,7252 900,7303 P1_UUT28.2@1074.5,7303
DEBUG29: P1_UUT29.2 U1_CTL29.2 | length 5309.5
  Top Layer w10: v1(1706.5,2612) 1866.5,2612 1907,2571.5 U1_CTL29.2@1907,2457
  Bottom Layer w10: v1(1706.5,2612) 1706.5,2804.5 1849,2947 1849,4417 1926.5,4494.5 1926.5,7252 1977.5,7303 P1_UUT29.2@2152,7303
DEBUG30: P1_UUT30.2 U1_CTL30.2 | length 5309.5
  Top Layer w10: v1(2784,2612) 2944,2612 2984.5,2571.5 U1_CTL30.2@2984.5,2457
  Bottom Layer w10: v1(2784,2612) 2784,2797 2944,2957 2944,4412 3004,4472 3004,7252 3055,7303 P1_UUT30.2@3229.5,7303
DEBUG31: P1_UUT31.2 U1_CTL31.2 | length 5309.5
  Top Layer w10: v1(3861.5,2612) 4021.5,2612 4062,2571.5 U1_CTL31.2@4062,2457
  Bottom Layer w10: v1(3861.5,2612) 3861.5,2794.5 4019,2952 4019,4412 4081.5,4474.5 4081.5,7252 4132.5,7303 P1_UUT31.2@4307,7303
DEBUG32: P1_UUT32.2 U1_CTL32.2 | length 5309.5
  Top Layer w10: v1(4939,2612) 5099,2612 5139.5,2571.5 U1_CTL32.2@5139.5,2457
  Bottom Layer w10: v1(4939,2612) 4939,2802 5079,2942 5079,4402 5159,4482 5159,7252 5210,7303 P1_UUT32.2@5384.5,7303
DEBUG33: P1_UUT33.2 U1_CTL33.2 | length 5309.5
  Top Layer w10: v1(6016.5,2612) 6176.5,2612 6217,2571.5 U1_CTL33.2@6217,2457
  Bottom Layer w10: v1(6016.5,2612) 6016.5,2799.5 6159,2942 6159,4402 6236.5,4479.5 6236.5,7252 6287.5,7303 P1_UUT33.2@6462,7303
DEBUG34: P1_UUT34.2 U1_CTL34.2 | length 5309.5
  Top Layer w10: v1(7094,2612) 7254,2612 7294.5,2571.5 U1_CTL34.2@7294.5,2457
  Bottom Layer w10: v1(7094,2612) 7094,2802 7234,2942 7234,4402 7314,4482 7314,7252 7365,7303 P1_UUT34.2@7539.5,7303
DEBUG35: P1_UUT35.2 U1_CTL35.2 | length 5309.5
  Top Layer w10: v1(8171.5,2612) 8331.5,2612 8372,2571.5 U1_CTL35.2@8372,2457
  Bottom Layer w10: v1(8171.5,2612) 8171.5,2804.5 8309,2942 8309,4397 8391.5,4479.5 8391.5,7252 8442.5,7303 P1_UUT35.2@8617,7303